# Altium PCB TestBoardNo1.PcbDoc
Units mm, origin at the board's own origin, x right, y up, seen from the top; angles counter-clockwise.
Board outline 152.4 x 101.6 mm, 2 copper layers (Top Layer, Bottom Layer); 160 components, 0 nets, 320 pads, 0 vias.
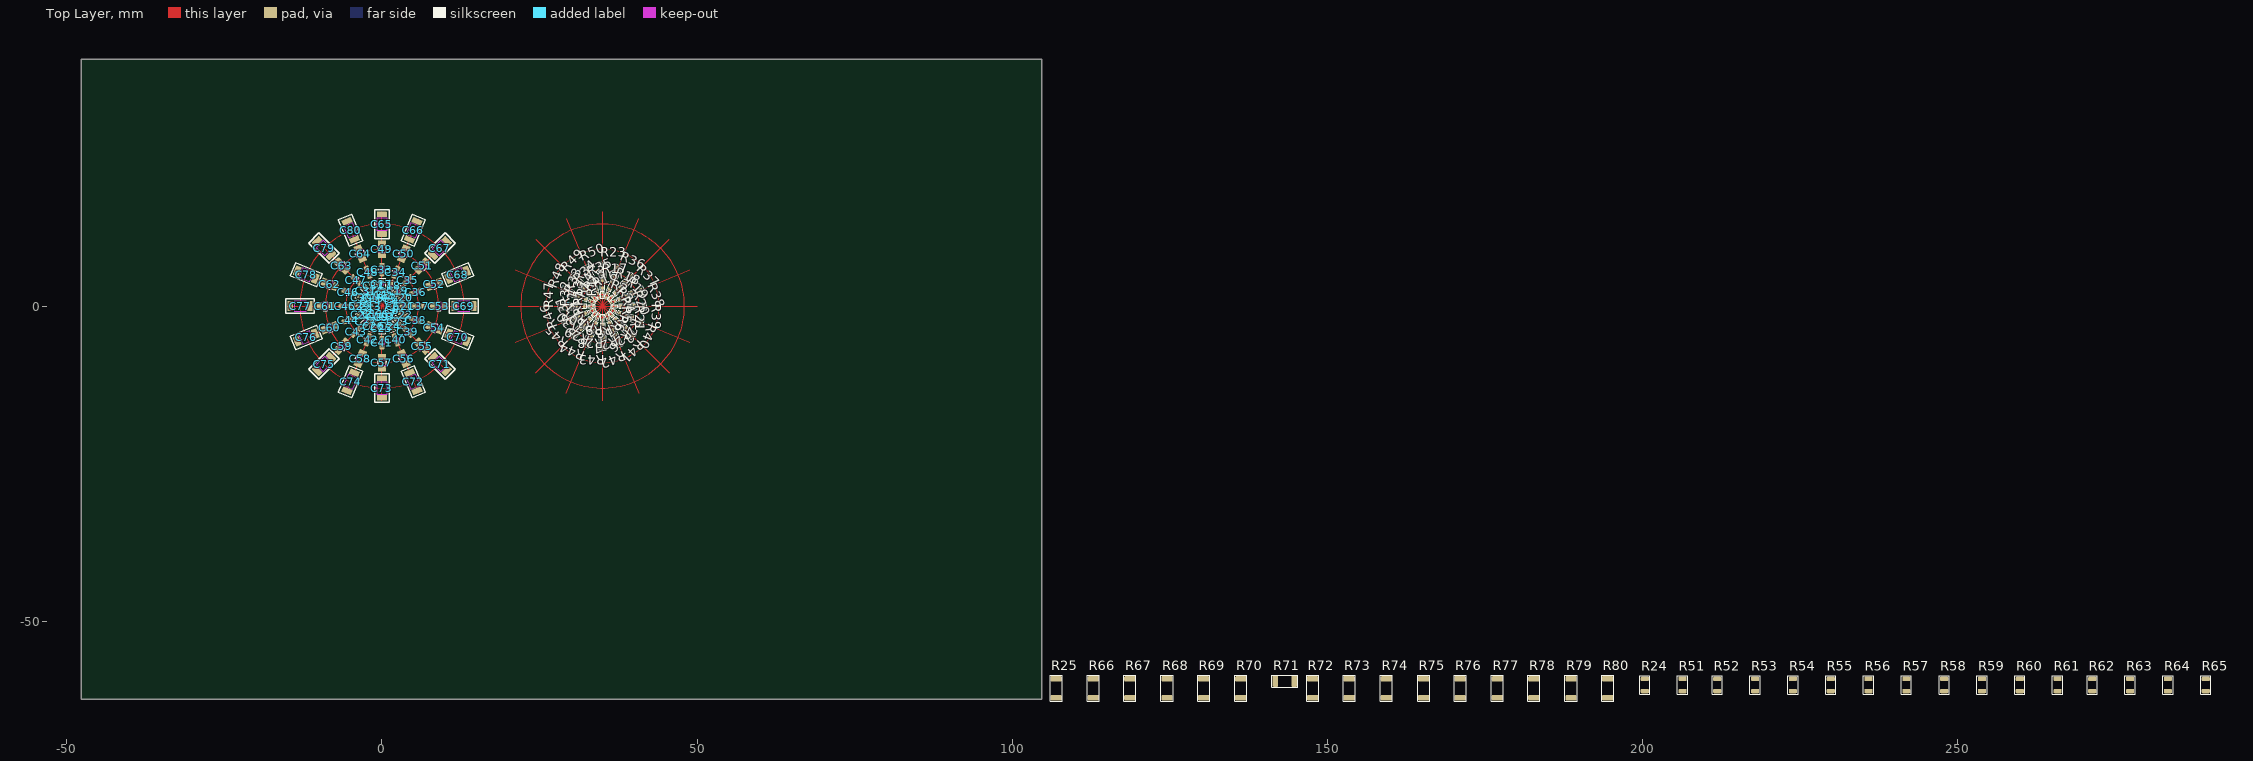
[diagram p0: Top Layer view]
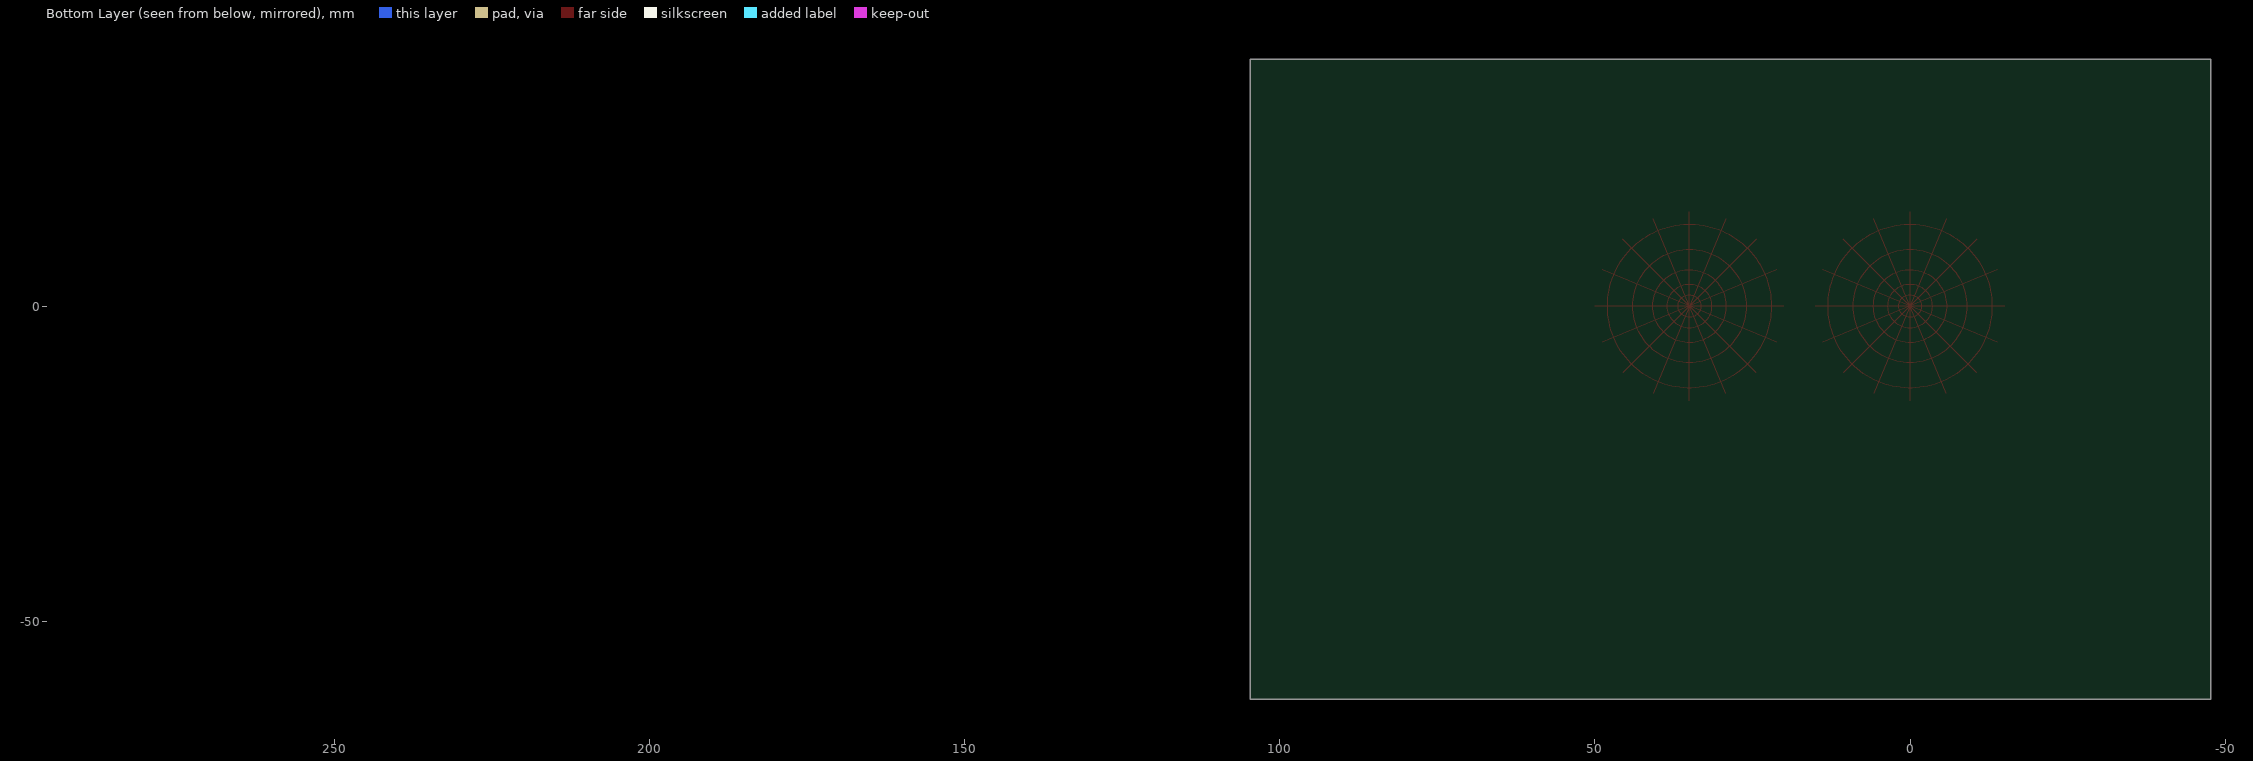
[diagram p1: Bottom Layer view, seen from below]

## Layer stack, top to bottom
Top Solder: solder mask 0.0102, Solder Resist, Dk 3.5
Top Layer: signal copper 0.0356
Dielectric 1: dielectric 0.32, FR-4, Dk 4.8
Bottom Layer: signal copper 0.0356
Bottom Solder: solder mask 0.0102, Solder Resist, Dk 3.5

## Board outline
-47.731,-62.416 104.669,-62.416 104.669,39.184 -47.731,39.184

## Design rules (kind name [scope] priority, off if disabled: settings)
Clearance [All] p1: gap=0.254 ignorepadtopadclearanceinfootprint=FALSE except(0: Arc-Hole Track-Hole SMDPad-Hole THPad-Hole Via-Hole Fill-Hole Poly-Hole Region-Hole Text-Hole)
PolygonConnect [All] p1: connectstyle=Relief reliefconductorwidth=0.254 reliefentries=4 polygonreliefangle="90 Angle" airgapwidth=0.254
RoomDefinition Resistors [InComponentClass('Resistors')] p1: confinementstyle=ConfineIn formatcopy=TRUE lockcomponents=FALSE outline 105.769,-63.116 583.468,-63.116 583.468,-55.816 105.769,-55.816
RoomDefinition Caps [InComponentClass('Caps')] p2 off: confinementstyle=ConfineIn formatcopy=TRUE lockcomponents=FALSE outline 105.812,-60.765 686.964,-60.765 686.964,-53.907 105.812,-53.907
RoutingVias [All] p1: holewidth=0.711 width=1.27 viastyle="Through Hole" minholewidth=0.711 minwidth=1.27 maxholewidth=0.711 maxwidth=1.27
SolderMaskExpansion [All] p1: expansion=0.102 istentingtop=FALSE
Width [All] p1: maxlimit=0.254 minlimit=0.254 preferedwidth=0.254
30 further rules are at their usual default settings.

## Classes and differential pairs
component class Resistors: R1 R2 R3 R4 R5 R6 R7 R8 R9 R10 R11 R12 R13 R14 R15 R16 R17 R18 R19 R20 R21 R22 R23 R24 R25 R26 R27 R28 R29 R30 R31 R32 R33 R34 R35 R36 R37 R38 R39 R40 R41 R42 R43 R44 R45 R46 R47 R48 R49 R50 R51 R52 R53 R54 R55 R56 R57 R58 R59 R60 R61 R62 R63 R64 R65 R66 R67 R68 R69 R70 R71 R72 R73 R74 R75 R76 R77 R78 R79 R80
component class Caps: C1 C2 C3 C4 C5 C6 C7 C8 C9 C10 C11 C12 C13 C14 C15 C16 C17 C18 C19 C20 C21 C22 C23 C24 C25 C26 C27 C28 C29 C30 C31 C32 C33 C34 C35 C36 C37 C38 C39 C40 C41 C42 C43 C44 C45 C46 C47 C48 C49 C50 C51 C52 C53 C54 C55 C56 C57 C58 C59 C60 C61 C62 C63 C64 C65 C66 C67 C68 C69 C70 C71 C72 C73 C74 C75 C76 C77 C78 C79 C80

## Components (designator, comment, footprint, x,y, rotation, side; value= is the part's Value field where it differs from the comment)
C1 "C0201" C0201-paste 0,1.8 r90 top
C2 "C0201" C0201-paste 0.689,1.663 r67.5 top
C3 "C0201" C0201-paste 1.273,1.273 r45 top
C4 "C0201" C0201-paste 1.663,0.689 r22.5 top
C5 "C0201" C0201-paste 1.8,0 r0 top
C6 "C0201" C0201-paste 1.663,-0.689 r337.5 top
C7 "C0201" C0201-paste 1.273,-1.273 r315 top
C8 "C0201" C0201-paste 0.689,-1.663 r292.5 top
C9 "C0201" C0201-paste 0,-1.8 r270 top
C10 "C0201" C0201-paste -0.689,-1.663 r247.5 top
C11 "C0201" C0201-paste -1.273,-1.273 r225 top
C12 "C0201" C0201-paste -1.663,-0.689 r202.5 top
C13 "C0201" C0201-paste -1.8,0 r180 top
C14 "C0201" C0201-paste -1.663,0.689 r157.5 top
C15 "C0201" C0201-paste -1.273,1.273 r135 top
C16 "C0201" C0201-paste -0.689,1.663 r112.5 top
C17 "C0402" C0402-Paste 0,3.5 r90 top
C18 "C0402" C0402-Paste 1.339,3.234 r67.5 top
C19 "C0402" C0402-Paste 2.475,2.475 r45 top
C20 "C0402" C0402-Paste 3.234,1.339 r22.5 top
C21 "C0402" C0402-Paste 3.5,0 r0 top
C22 "C0402" C0402-Paste 3.234,-1.339 r337.5 top
C23 "C0402" C0402-Paste 2.475,-2.475 r315 top
C24 "C0402" C0402-Paste 1.339,-3.234 r292.5 top
C25 "C0402" C0402-Paste 0,-3.5 r270 top
C26 "C0402" C0402-Paste -1.339,-3.234 r247.5 top
C27 "C0402" C0402-Paste -2.475,-2.475 r225 top
C28 "C0402" C0402-Paste -3.234,-1.339 r202.5 top
C29 "C0402" C0402-Paste -3.5,0 r180 top
C30 "C0402" C0402-Paste -3.234,1.339 r157.5 top
C31 "C0402" C0402-Paste -2.475,2.475 r135 top
C32 "C0402" C0402-Paste -1.339,3.234 r112.5 top
C33 "C0603" C0603_PASTE 0,5.8 r90 top
C34 "C0603" C0603_PASTE 2.22,5.359 r67.5 top
C35 "C0603" C0603_PASTE 4.101,4.101 r45 top
C36 "C0603" C0603_PASTE 5.359,2.22 r22.5 top
C37 "C0603" C0603_PASTE 5.8,0 r0 top
C38 "C0603" C0603_PASTE 5.359,-2.22 r337.5 top
C39 "C0603" C0603_PASTE 4.101,-4.101 r315 top
C40 "C0603" C0603_PASTE 2.22,-5.359 r292.5 top
C41 "C0603" C0603_PASTE 0,-5.8 r270 top
C42 "C0603" C0603_PASTE -2.22,-5.359 r247.5 top
C43 "C0603" C0603_PASTE -4.101,-4.101 r225 top
C44 "C0603" C0603_PASTE -5.359,-2.22 r202.5 top
C45 "C0603" C0603_PASTE -5.8,0 r180 top
C46 "C0603" C0603_PASTE -5.359,2.22 r157.5 top
C47 "C0603" C0603_PASTE -4.101,4.101 r135 top
C48 "C0603" C0603_PASTE -2.22,5.359 r112.5 top
C49 "C0805" C0805_Paste 0,9 r270 top
C50 "C0805" C0805_Paste 3.444,8.315 r67.5 top
C51 "C0805" C0805_Paste 6.364,6.364 r45 top
C52 "C0805" C0805_Paste 8.315,3.444 r22.5 top
C53 "C0805" C0805_Paste 9,0 r0 top
C54 "C0805" C0805_Paste 8.315,-3.444 r337.5 top
C55 "C0805" C0805_Paste 6.364,-6.364 r315 top
C56 "C0805" C0805_Paste 3.444,-8.315 r292.5 top
C57 "C0805" C0805_Paste 0,-9 r270 top
C58 "C0805" C0805_Paste -3.444,-8.315 r247.5 top
C59 "C0805" C0805_Paste -6.364,-6.364 r225 top
C60 "C0805" C0805_Paste -8.315,-3.444 r202.5 top
C61 "C0805" C0805_Paste -9,0 r180 top
C62 "C0805" C0805_Paste -8.315,3.444 r157.5 top
C63 "C0805" C0805_Paste -6.364,6.364 r135 top
C64 "C0805" C0805_Paste -3.444,8.315 r112.5 top
C65 "C1206" C1206_PASTE 0,13 r90 top
C66 "C1206" C1206_PASTE 4.975,12.01 r67.5 top
C67 "C1206" C1206_PASTE 9.192,9.192 r45 top
C68 "C1206" C1206_PASTE 12.01,4.975 r22.5 top
C69 "C1206" C1206_PASTE 13,0 r0 top
C70 "C1206" C1206_PASTE 12.01,-4.975 r337.5 top
C71 "C1206" C1206_PASTE 9.192,-9.192 r315 top
C72 "C1206" C1206_PASTE 4.975,-12.01 r292.5 top
C73 "C1206" C1206_PASTE 0,-13 r270 top
C74 "C1206" C1206_PASTE -4.975,-12.01 r247.5 top
C75 "C1206" C1206_PASTE -9.192,-9.192 r225 top
C76 "C1206" C1206_PASTE -12.01,-4.975 r202.5 top
C77 "C1206" C1206_PASTE -13,0 r180 top
C78 "C1206" C1206_PASTE -12.01,4.975 r157.5 top
C79 "C1206" C1206_PASTE -9.192,9.192 r135 top
C80 "C1206" C1206_PASTE -4.975,12.01 r112.5 top
R1 "R0201" R0201-paste 35,1.8 r90 top
R2 "R0201" R0201-paste 35.689,1.663 r67.5 top
R3 "R0201" R0201-paste 36.273,1.273 r45 top
R4 "R0201" R0201-paste 36.663,0.689 r22.5 top
R5 "R0201" R0201-paste 36.8,0 r0 top
R6 "R0201" R0201-paste 36.663,-0.689 r337.5 top
R7 "R0201" R0201-paste 36.273,-1.273 r315 top
R8 "R0201" R0201-paste 35.689,-1.663 r292.5 top
R9 "R0201" R0201-paste 35,-1.8 r270 top
R10 "R0201" R0201-paste 34.311,-1.663 r247.5 top
R11 "R0201" R0201-paste 33.727,-1.273 r225 top
R12 "R0201" R0201-paste 33.337,-0.689 r202.5 top
R13 "R0201" R0201-paste 33.2,0 r180 top
R14 "R0201" R0201-paste 33.337,0.689 r157.5 top
R15 "R0201" R0201-paste 33.727,1.273 r135 top
R16 "R0201" R0201-paste 34.311,1.663 r112.5 top
R17 "R0402" R0402-Paste 35,3.5 r90 top
R18 "R0402" R0402-Paste 36.339,3.234 r67.5 top
R19 "R0402" R0402-Paste 37.475,2.475 r45 top
R20 "R0402" R0402-Paste 38.234,1.339 r22.5 top
R21 "R0402" R0402-Paste 38.5,0 r0 top
R22 "R0402" R0402-Paste 38.234,-1.339 r337.5 top
R23 "R0603" R0603_PASTE 35,5.8 r90 top
R24 "R0805" R0805_PASTE 200.369,-60.116 r90 top
R25 "R1206" R1206_PASTE 106.969,-60.616 r90 top
R26 "R0402" R0402-Paste 37.475,-2.475 r315 top
R27 "R0402" R0402-Paste 36.339,-3.234 r292.5 top
R28 "R0402" R0402-Paste 35,-3.5 r270 top
R29 "R0402" R0402-Paste 33.661,-3.234 r247.5 top
R30 "R0402" R0402-Paste 32.525,-2.475 r225 top
R31 "R0402" R0402-Paste 31.766,-1.339 r202.5 top
R32 "R0402" R0402-Paste 31.5,0 r180 top
R33 "R0402" R0402-Paste 31.766,1.339 r157.5 top
R34 "R0402" R0402-Paste 32.525,2.475 r135 top
R35 "R0402" R0402-Paste 33.661,3.234 r112.5 top
R36 "R0603" R0603_PASTE 37.22,5.359 r67.5 top
R37 "R0603" R0603_PASTE 39.101,4.101 r45 top
R38 "R0603" R0603_PASTE 40.359,2.22 r22.5 top
R39 "R0603" R0603_PASTE 40.8,0 r0 top
R40 "R0603" R0603_PASTE 40.359,-2.22 r337.5 top
R41 "R0603" R0603_PASTE 39.101,-4.101 r315 top
R42 "R0603" R0603_PASTE 37.22,-5.359 r292.5 top
R43 "R0603" R0603_PASTE 35,-5.8 r270 top
R44 "R0603" R0603_PASTE 32.78,-5.359 r247.5 top
R45 "R0603" R0603_PASTE 30.899,-4.101 r225 top
R46 "R0603" R0603_PASTE 29.642,-2.22 r202.5 top
R47 "R0603" R0603_PASTE 29.2,0 r180 top
R48 "R0603" R0603_PASTE 29.642,2.22 r157.5 top
R49 "R0603" R0603_PASTE 30.899,4.101 r135 top
R50 "R0603" R0603_PASTE 32.78,5.358 r112.5 top
R51 "R0805" R0805_PASTE 206.369,-60.116 r90 top
R52 "R0805" R0805_PASTE 211.869,-60.116 r90 top
R53 "R0805" R0805_PASTE 217.869,-60.116 r90 top
R54 "R0805" R0805_PASTE 223.869,-60.116 r90 top
R55 "R0805" R0805_PASTE 229.869,-60.116 r90 top
R56 "R0805" R0805_PASTE 235.869,-60.116 r90 top
R57 "R0805" R0805_PASTE 241.869,-60.116 r90 top
R58 "R0805" R0805_PASTE 247.869,-60.116 r90 top
R59 "R0805" R0805_PASTE 253.868,-60.116 r90 top
R60 "R0805" R0805_PASTE 259.868,-60.116 r90 top
R61 "R0805" R0805_PASTE 265.868,-60.116 r90 top
R62 "R0805" R0805_PASTE 271.368,-60.116 r90 top
R63 "R0805" R0805_PASTE 277.368,-60.116 r90 top
R64 "R0805" R0805_PASTE 283.368,-60.116 r90 top
R65 "R0805" R0805_PASTE 289.368,-60.116 r90 top
R66 "R1206" R1206_PASTE 112.869,-60.616 r90 top
R67 "R1206" R1206_PASTE 118.669,-60.616 r90 top
R68 "R1206" R1206_PASTE 124.569,-60.616 r90 top
R69 "R1206" R1206_PASTE 130.369,-60.616 r90 top
R70 "R1206" R1206_PASTE 136.269,-60.616 r90 top
R71 "R1206" R1206_PASTE 143.269,-59.516 r0 top
R72 "R1206" R1206_PASTE 147.669,-60.616 r90 top
R73 "R1206" R1206_PASTE 153.469,-60.616 r90 top
R74 "R1206" R1206_PASTE 159.369,-60.616 r90 top
R75 "R1206" R1206_PASTE 165.269,-60.616 r90 top
R76 "R1206" R1206_PASTE 171.069,-60.616 r90 top
R77 "R1206" R1206_PASTE 176.969,-60.616 r90 top
R78 "R1206" R1206_PASTE 182.769,-60.616 r90 top
R79 "R1206" R1206_PASTE 188.669,-60.616 r90 top
R80 "R1206" R1206_PASTE 194.469,-60.616 r90 top

## Footprints (in the part's own frame and the unit in brackets; to place one, negate y for a bottom-side part, rotate by r counter-clockwise, add the part's x,y. Pads: shape width x height; smd on the part's side, far side on the other; paste and mask are expansions set on the pad)
C0201-paste [mm]
  rrect52% 0.31x0.34 smd mask+0.05: 1(-0.275,0) 2(0.275,0)
  Top Layer keep-out region: -0.019,-0.169 0.019,-0.169 0.019,0.169 -0.019,0.169
  body extent -0.3,-0.15 0.3,0.15, height 0.33
C0402-Paste [mm]
  rrect50% 0.52x0.56 smd paste+0: 1(-0.44,0) 2(0.44,0)
  Top Layer keep-out region: -0.077,-0.28 0.078,-0.28 0.078,0.28 -0.077,0.28
  silkscreen extent -0.9,-0.5 0.9,0.5, body extent -0.5,-0.25 0.5,0.25, height 0.55
C0603_PASTE [mm]
  rrect51% 0.74x0.83 smd paste+0: 1(-0.695,0) 2(0.695,0)
  Top Layer keep-out region: -0.222,-0.415 0.223,-0.415 0.223,0.415 -0.222,0.415
  silkscreen extent -0.1,-0.6 0.1,0.6, body extent -0.8,-0.4 0.8,0.4, height 0.9
C0805_Paste [mm]
  rrect30% 0.9x1.3 smd: 1(-0.95,0) 2(0.95,0)
  Top Layer keep-out region: -0.376,-0.65 0.374,-0.65 0.374,0.65 -0.376,0.65
  silkscreen extent -0.3,-0.7 0.3,0.7, body extent -1,-0.6 1,0.6, height 0.95
C1206_PASTE [mm]
  rrect30% 0.9x1.6 smd: 1(-1.55,0) 2(1.55,0)
  Top Layer keep-out region: -0.95,-0.8 0.95,-0.8 0.95,0.8 -0.95,0.8
  silkscreen extent -2.29,-1.14 2.29,1.14, body extent -1.6,-0.8 1.6,0.8, height 1.8
R0201-paste [mm]
  rrect50% 0.3x0.35 smd: 1(-0.279,0) 2(0.279,0)
  silkscreen extent -0.53,-0.25 0.53,0.25, body extent -0.34,-0.16 0.34,0.17, height 0.34
R0402-Paste [mm]
  rrect50% 0.45x0.55 smd: 1(-0.584,0) 2(0.584,0)
  silkscreen extent -0.89,-0.36 0.89,0.36, body extent -0.57,-0.27 0.57,0.28, height 0.4
R0603_PASTE [mm]
  rrect50% 0.6x0.85 smd: 1(-0.75,0) 2(0.75,0)
  silkscreen extent -1.22,-0.56 1.22,0.56, body extent -0.79,-0.41 0.81,0.39, height 0.52
R0805_PASTE [mm]
  rrect50% 0.7x1.3 smd: 1(-0.965,0) 2(0.965,0)
  silkscreen extent -1.5,-0.81 1.5,0.81, body extent -1,-0.64 1,0.62, height 0.44
R1206_PASTE [mm]
  rrect50% 0.9x1.8 smd: 1(-1.526,0) 2(1.475,0)
  silkscreen extent -2.11,-0.97 2.06,0.97, body extent -1.68,-0.86 1.67,0.87, height 0.85

## Part data
C1 C2 C3 C4 C5 C6 C7 C8 C9 C10 C11 C12 C13 C14 C15 C16: library part C-0201, "Multilayer Ceramic Capacitors MLCC - SMD  0201", Manufacturer=-, Manufacturer PN=-, Supplier=digikey.ca
C17 C18 C19 C20 C21 C22 C23 C24 C25 C26 C27 C28 C29 C30 C31 C32: library part C-0402, "Multilayer Ceramic Capacitors MLCC - SMD  0402", Manufacturer=-, Manufacturer PN=-, Supplier=digikey.ca
C33 C34 C35 C36 C37 C38 C39 C40 C41 C42 C43 C44 C45 C46 C47 C48: library part C-0603, "Multilayer Ceramic Capacitors MLCC - SMD 0603", Manufacturer=-, Manufacturer PN=-, Supplier=digikey.ca
C49 C50 C51 C52 C53 C54 C55 C56 C57 C58 C59 C60 C61 C62 C63 C64: library part C-0805, "Multilayer Ceramic Capacitors MLCC - SMD 0805", Manufacturer=-, Manufacturer PN=-, Supplier=digikey.ca
C65 C66 C67 C68 C69 C70 C71 C72 C73 C74 C75 C76 C77 C78 C79 C80: library part C-1206, "Multilayer Ceramic Capacitors MLCC - SMD 1206", Manufacturer=-, Manufacturer PN=-, Supplier=digikey.ca
R1 R2 R3 R4 R5 R6 R7 R8 R9 R10 R11 R12 R13 R14 R15 R16: library part R-0201, "RES SMD 0201", Manufacturer=-, Manufacturer PN=-, Supplier=digikey.ca
R17 R18 R19 R20 R21 R22 R26 R27 R28 R29 R30 R31 R32 R33 R34 R35: library part R-0402, "RES SMD 0402", Manufacturer=-, Manufacturer PN=-, Supplier=digikey.ca
R23 R36 R37 R38 R39 R40 R41 R42 R43 R44 R45 R46 R47 R48 R49 R50: library part R-0603, "RES SMD 0603", Manufacturer=-, Manufacturer PN=-, Supplier=digikey.ca
R24 R51 R52 R53 R54 R55 R56 R57 R58 R59 R60 R61 R62 R63 R64 R65: library part R-0805, "RES SMD 0805", Manufacturer=-, Manufacturer PN=-, Supplier=digikey.ca
R25 R66 R67 R68 R69 R70 R71 R72 R73 R74 R75 R76 R77 R78 R79 R80: library part R-1206, "RES SMD 1206", Manufacturer=-, Manufacturer PN=-, Supplier=digikey.ca

## Nets (pads, with @x,y where several pads share a name; then routed paths per layer and width w, separated by ;. In a path a pad name is that pad's centre, name@x,y a point inside that pad or via, vN(x,y) a via of type N, cw(c..) or ccw(c..) an arc to the next point about the centre after c; other vN are vias at no path point)
pads on no net: C1.1 C1.2 C2.1 C2.2 C3.1 C3.2 C4.1 C4.2 C5.1 C5.2 C6.1 C6.2 C7.1 C7.2 C8.1 C8.2 C9.1 C9.2 C10.1 C10.2 C11.1 C11.2 C12.1 C12.2 C13.1 C13.2 C14.1 C14.2 C15.1 C15.2 C16.1 C16.2 C17.1 C17.2 C18.1 C18.2 C19.1 C19.2 C20.1 C20.2 C21.1 C21.2 C22.1 C22.2 C23.1 C23.2 C24.1 C24.2 C25.1 C25.2 C26.1 C26.2 C27.1 C27.2 C28.1 C28.2 C29.1 C29.2 C30.1 C30.2 C31.1 C31.2 C32.1 C32.2 C33.1 C33.2 C34.1 C34.2 C35.1 C35.2 C36.1 C36.2 C37.1 C37.2 C38.1 C38.2 C39.1 C39.2 C40.1 C40.2 C41.1 C41.2 C42.1 C42.2 C43.1 C43.2 C44.1 C44.2 C45.1 C45.2 C46.1 C46.2 C47.1 C47.2 C48.1 C48.2 C49.1 C49.2 C50.1 C50.2 C51.1 C51.2 C52.1 C52.2 C53.1 C53.2 C54.1 C54.2 C55.1 C55.2 C56.1 C56.2 C57.1 C57.2 C58.1 C58.2 C59.1 C59.2 C60.1 C60.2 C61.1 C61.2 C62.1 C62.2 C63.1 C63.2 C64.1 C64.2 C65.1 C65.2 C66.1 C66.2 C67.1 C67.2 C68.1 C68.2 C69.1 C69.2 C70.1 C70.2 C71.1 C71.2 C72.1 C72.2 C73.1 C73.2 C74.1 C74.2 C75.1 C75.2 C76.1 C76.2 C77.1 C77.2 C78.1 C78.2 C79.1 C79.2 C80.1 C80.2 R1.1 R1.2 R2.1 R2.2 R3.1 R3.2 R4.1 R4.2 R5.1 R5.2 R6.1 R6.2 R7.1 R7.2 R8.1 R8.2 R9.1 R9.2 R10.1 R10.2 R11.1 R11.2 R12.1 R12.2 R13.1 R13.2 R14.1 R14.2 R15.1 R15.2 R16.1 R16.2 R17.1 R17.2 R18.1 R18.2 R19.1 R19.2 R20.1 R20.2 R21.1 R21.2 R22.1 R22.2 R23.1 R23.2 R24.1 R24.2 R25.1 R25.2 R26.1 R26.2 R27.1 R27.2 R28.1 R28.2 R29.1 R29.2 R30.1 R30.2 R31.1 R31.2 R32.1 R32.2 R33.1 R33.2 R34.1 R34.2 R35.1 R35.2 R36.1 R36.2 R37.1 R37.2 R38.1 R38.2 R39.1 R39.2 R40.1 R40.2 R41.1 R41.2 R42.1 R42.2 R43.1 R43.2 R44.1 R44.2 R45.1 R45.2 R46.1 R46.2 R47.1 R47.2 R48.1 R48.2 R49.1 R49.2 R50.1 R50.2 R51.1 R51.2 R52.1 R52.2 R53.1 R53.2 R54.1 R54.2 R55.1 R55.2 R56.1 R56.2 R57.1 R57.2 R58.1 R58.2 R59.1 R59.2 R60.1 R60.2 R61.1 R61.2 R62.1 R62.2 R63.1 R63.2 R64.1 R64.2 R65.1 R65.2 R66.1 R66.2 R67.1 R67.2 R68.1 R68.2 R69.1 R69.2 R70.1 R70.2 R71.1 R71.2 R72.1 R72.2 R73.1 R73.2 R74.1 R74.2 R75.1 R75.2 R76.1 R76.2 R77.1 R77.2 R78.1 R78.2 R79.1 R79.2 R80.1 R80.2
copper on no net: | length 895.9
  Top Layer w0.1: -15,0 15,0 ; -13.858,-5.74 13.858,5.74 ; -13.858,5.74 13.858,-5.74 ; -10.607,-10.607 10.607,10.607 ; -10.607,10.607 10.607,-10.607 ; -5.74,-13.858 5.74,13.858 ; -5.74,13.858 5.74,-13.858 ; 0,-15 0,15 ; 20,0 50,0 ; 21.142,-5.74 48.858,5.74 ; 21.142,5.74 48.858,-5.74 ; 24.393,-10.607 45.607,10.607 ; 24.393,10.607 45.607,-10.607 ; 29.26,-13.858 40.74,13.858 ; 29.26,13.858 40.74,-13.858 ; 35,-15 35,15 ; 1.8,0 ccw(c0,0) 1.8,0 ; 3.5,0 ccw(c0,0) 3.5,0 ; 5.8,0 ccw(c0,0) 5.8,0 ; 9,0 ccw(c0,0) 9,0 ; 13,0 ccw(c0,0) 13,0 ; 36.8,0 ccw(c35,0) 36.8,0 ; 38.5,0 ccw(c35,0) 38.5,0 ; 40.8,0 ccw(c35,0) 40.8,0 ; 44,0 ccw(c35,0) 44,0 ; 48,0 ccw(c35,0) 48,0